# Altium PCB SI945D.PCBDOC (part 1 of 2)
Units mil, origin at the board's own origin, x right, y up, seen from the top; angles counter-clockwise.
Board outline 3122.05 x 2322.84 mil, 4 copper layers (Top, MidLayer1, MidLayer2, Bottom), stack 64.291 mil thick; 171 components, 95 nets, 602 pads, 218 vias.
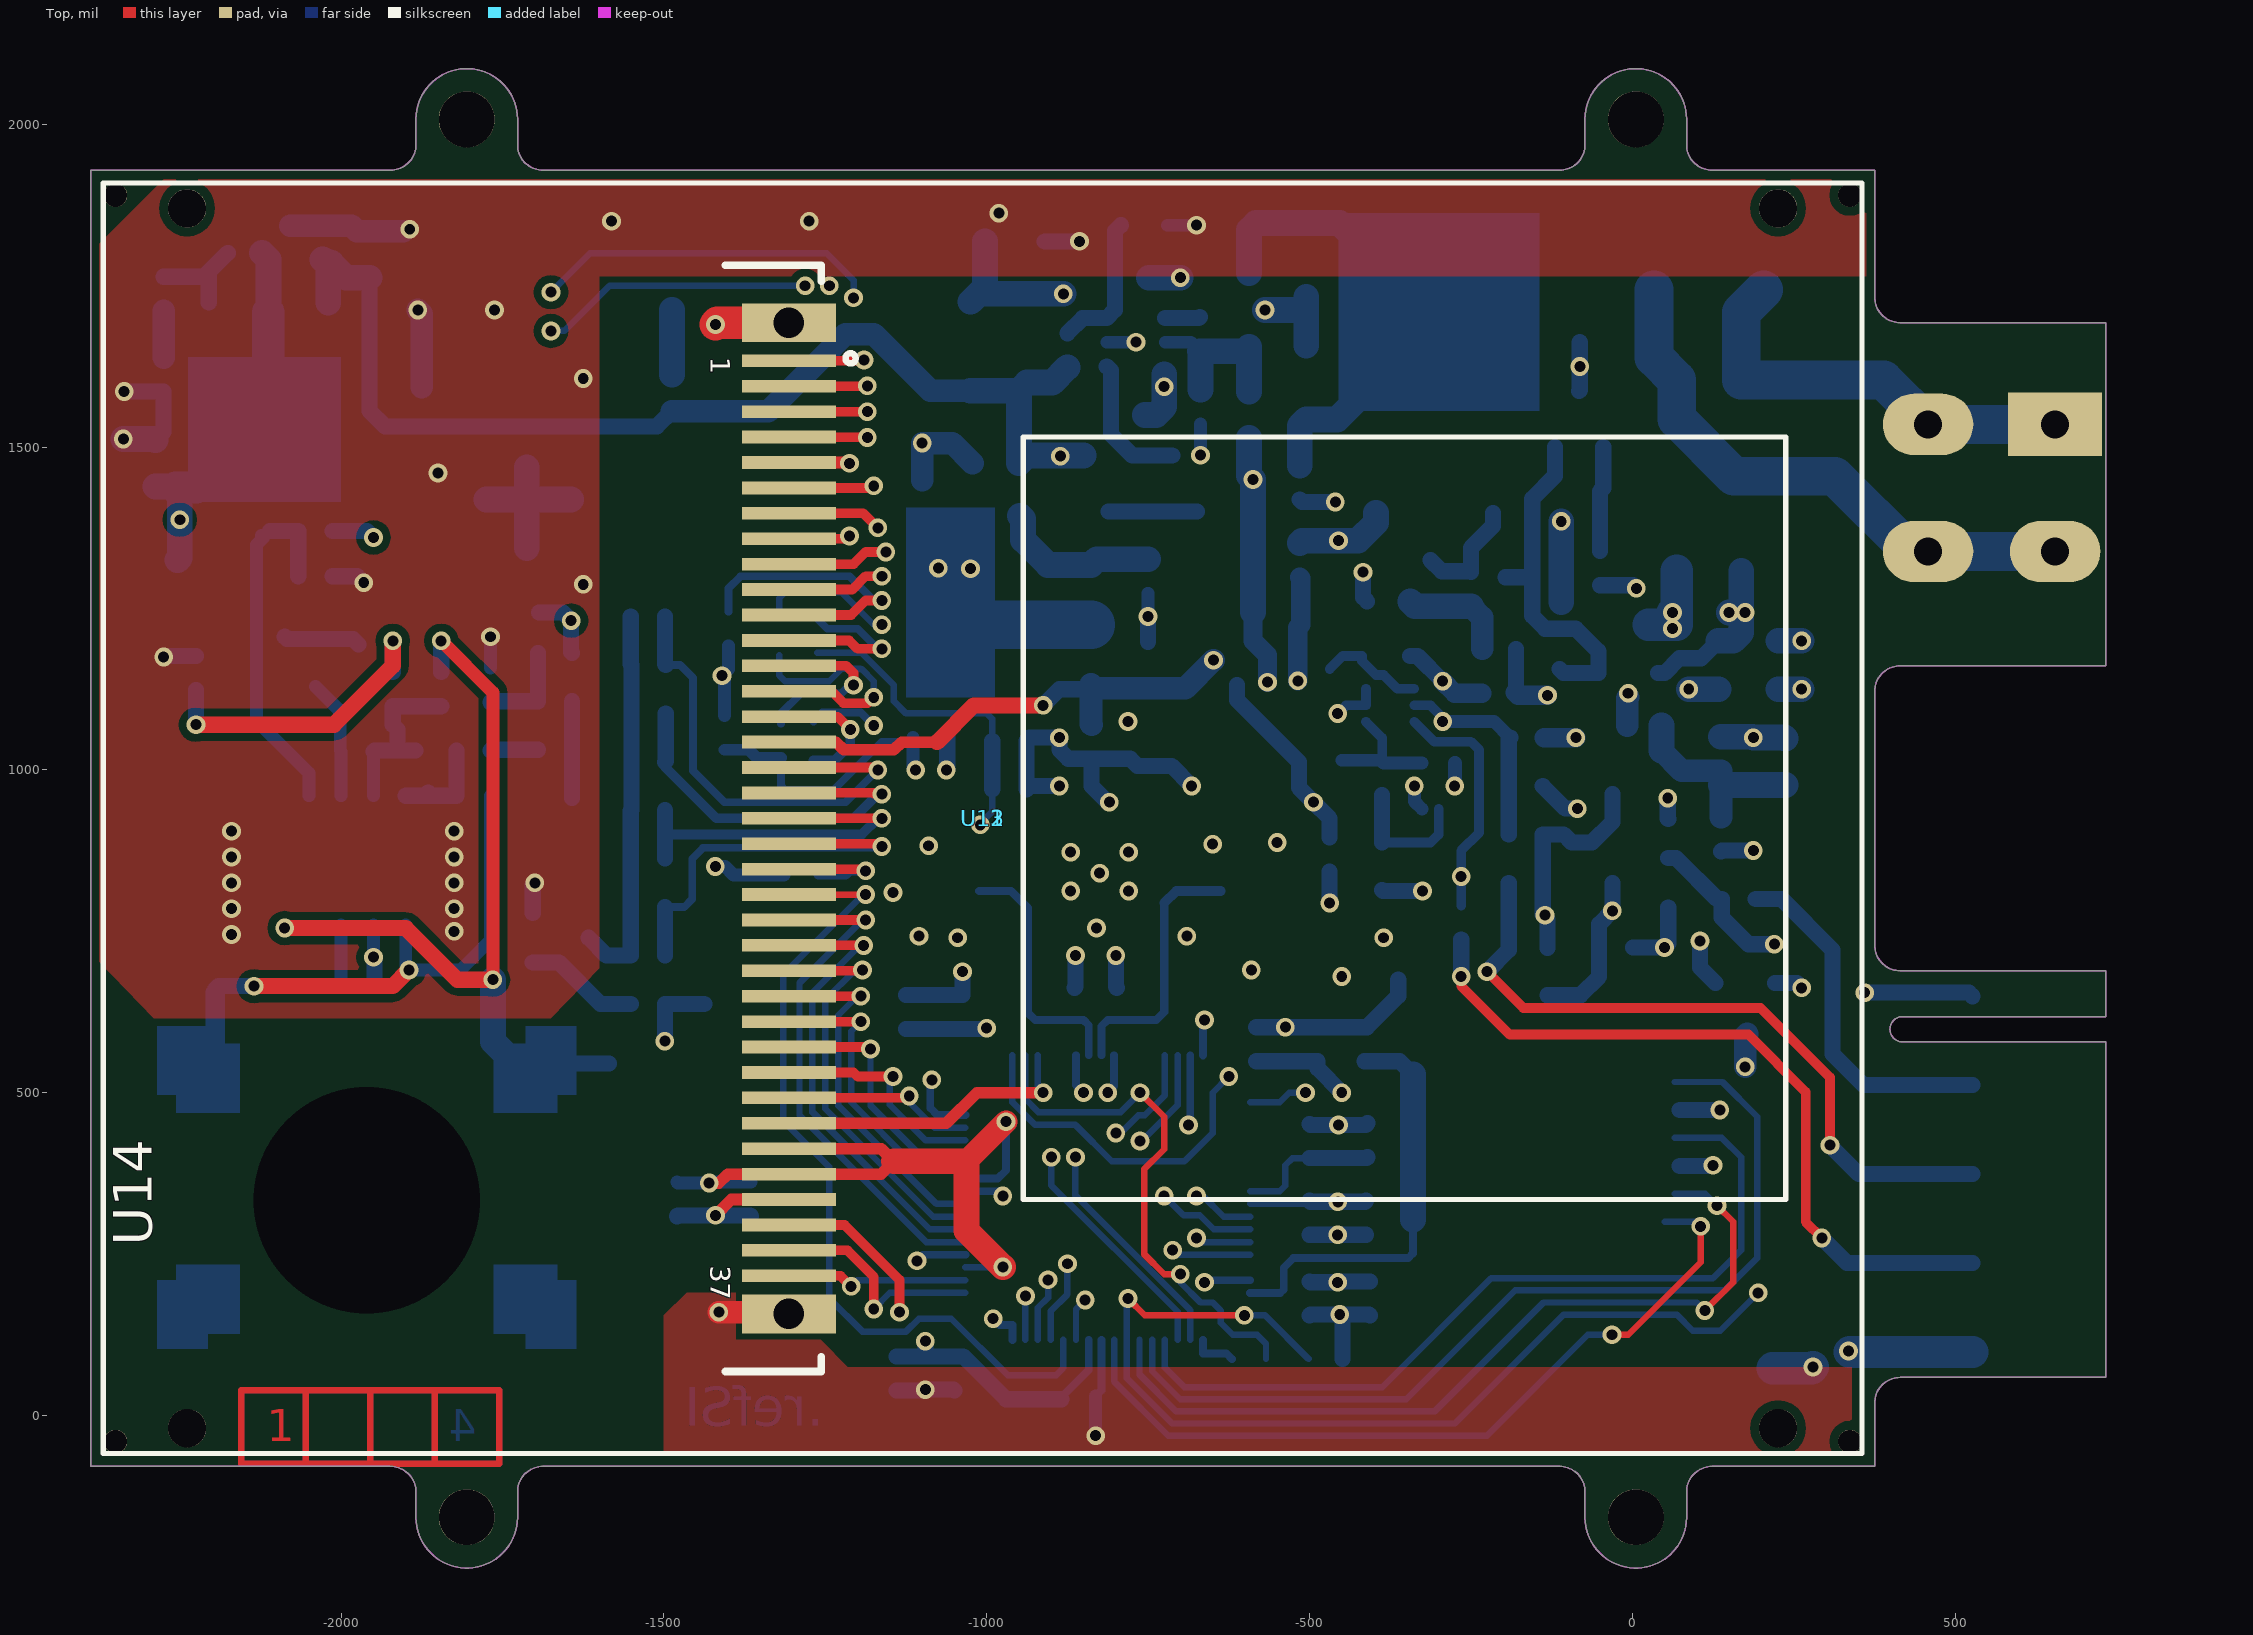
[diagram p0: Top view]
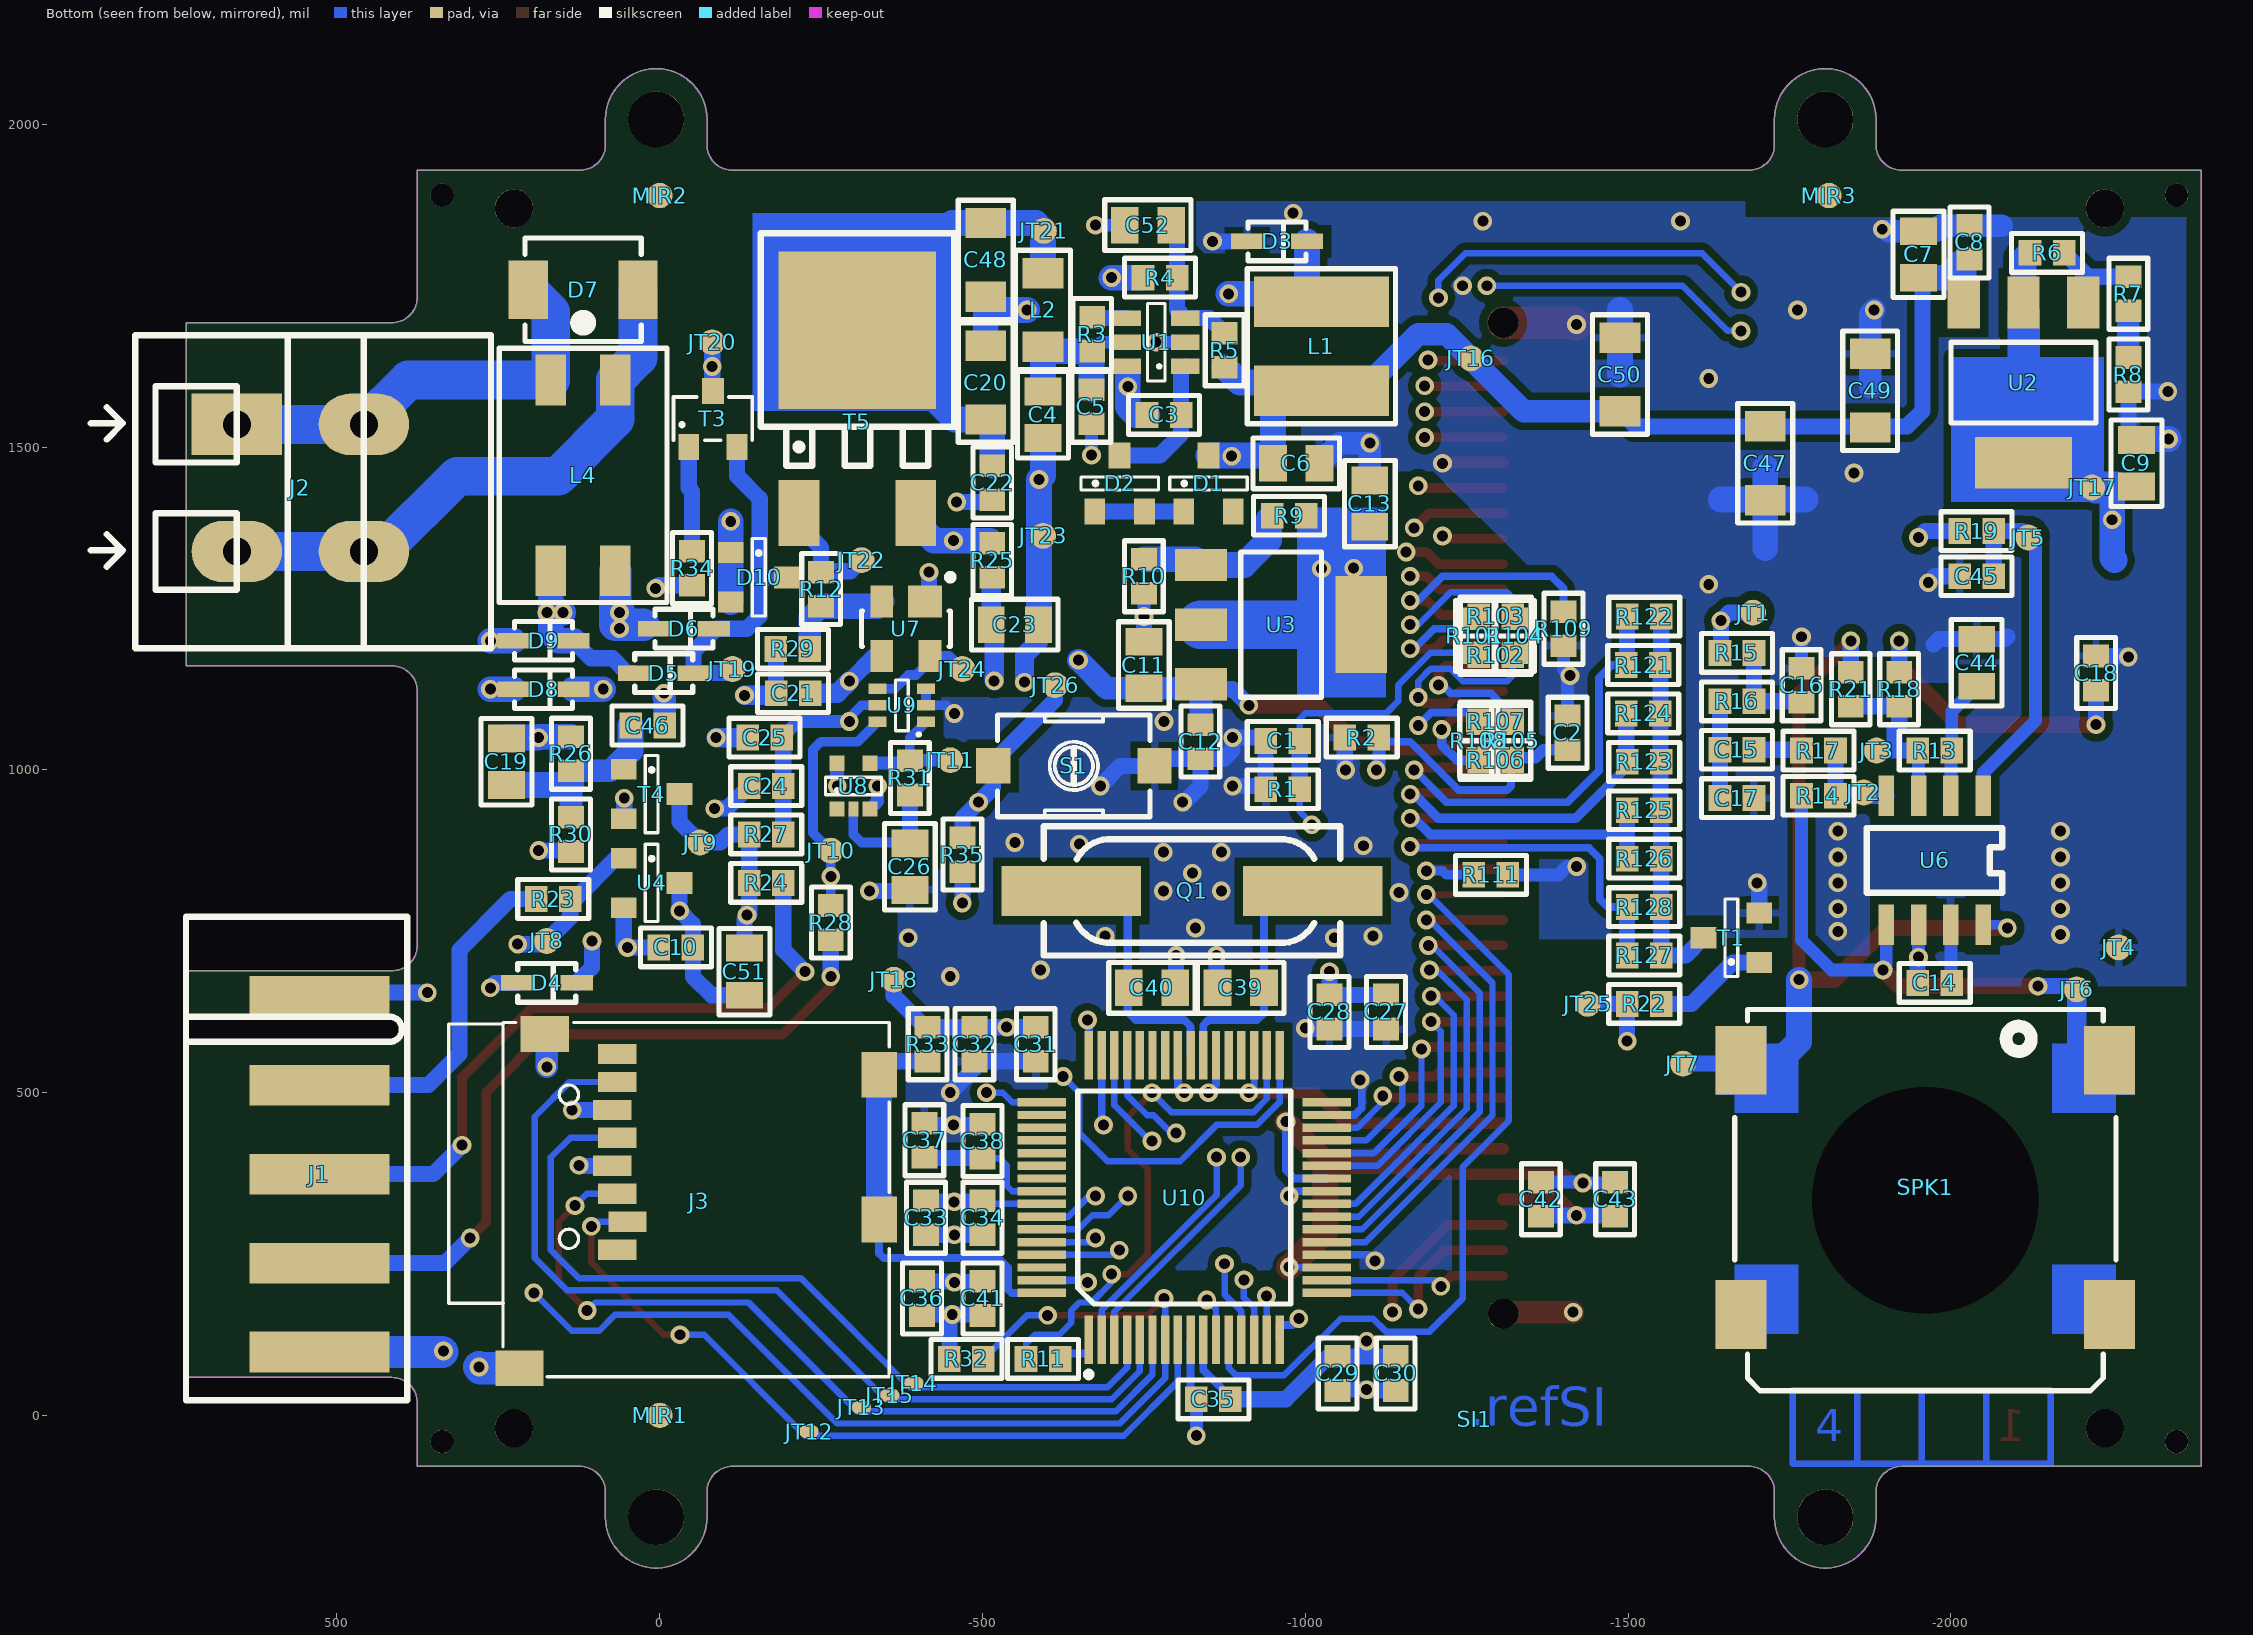
[diagram p1: Bottom view, seen from below]
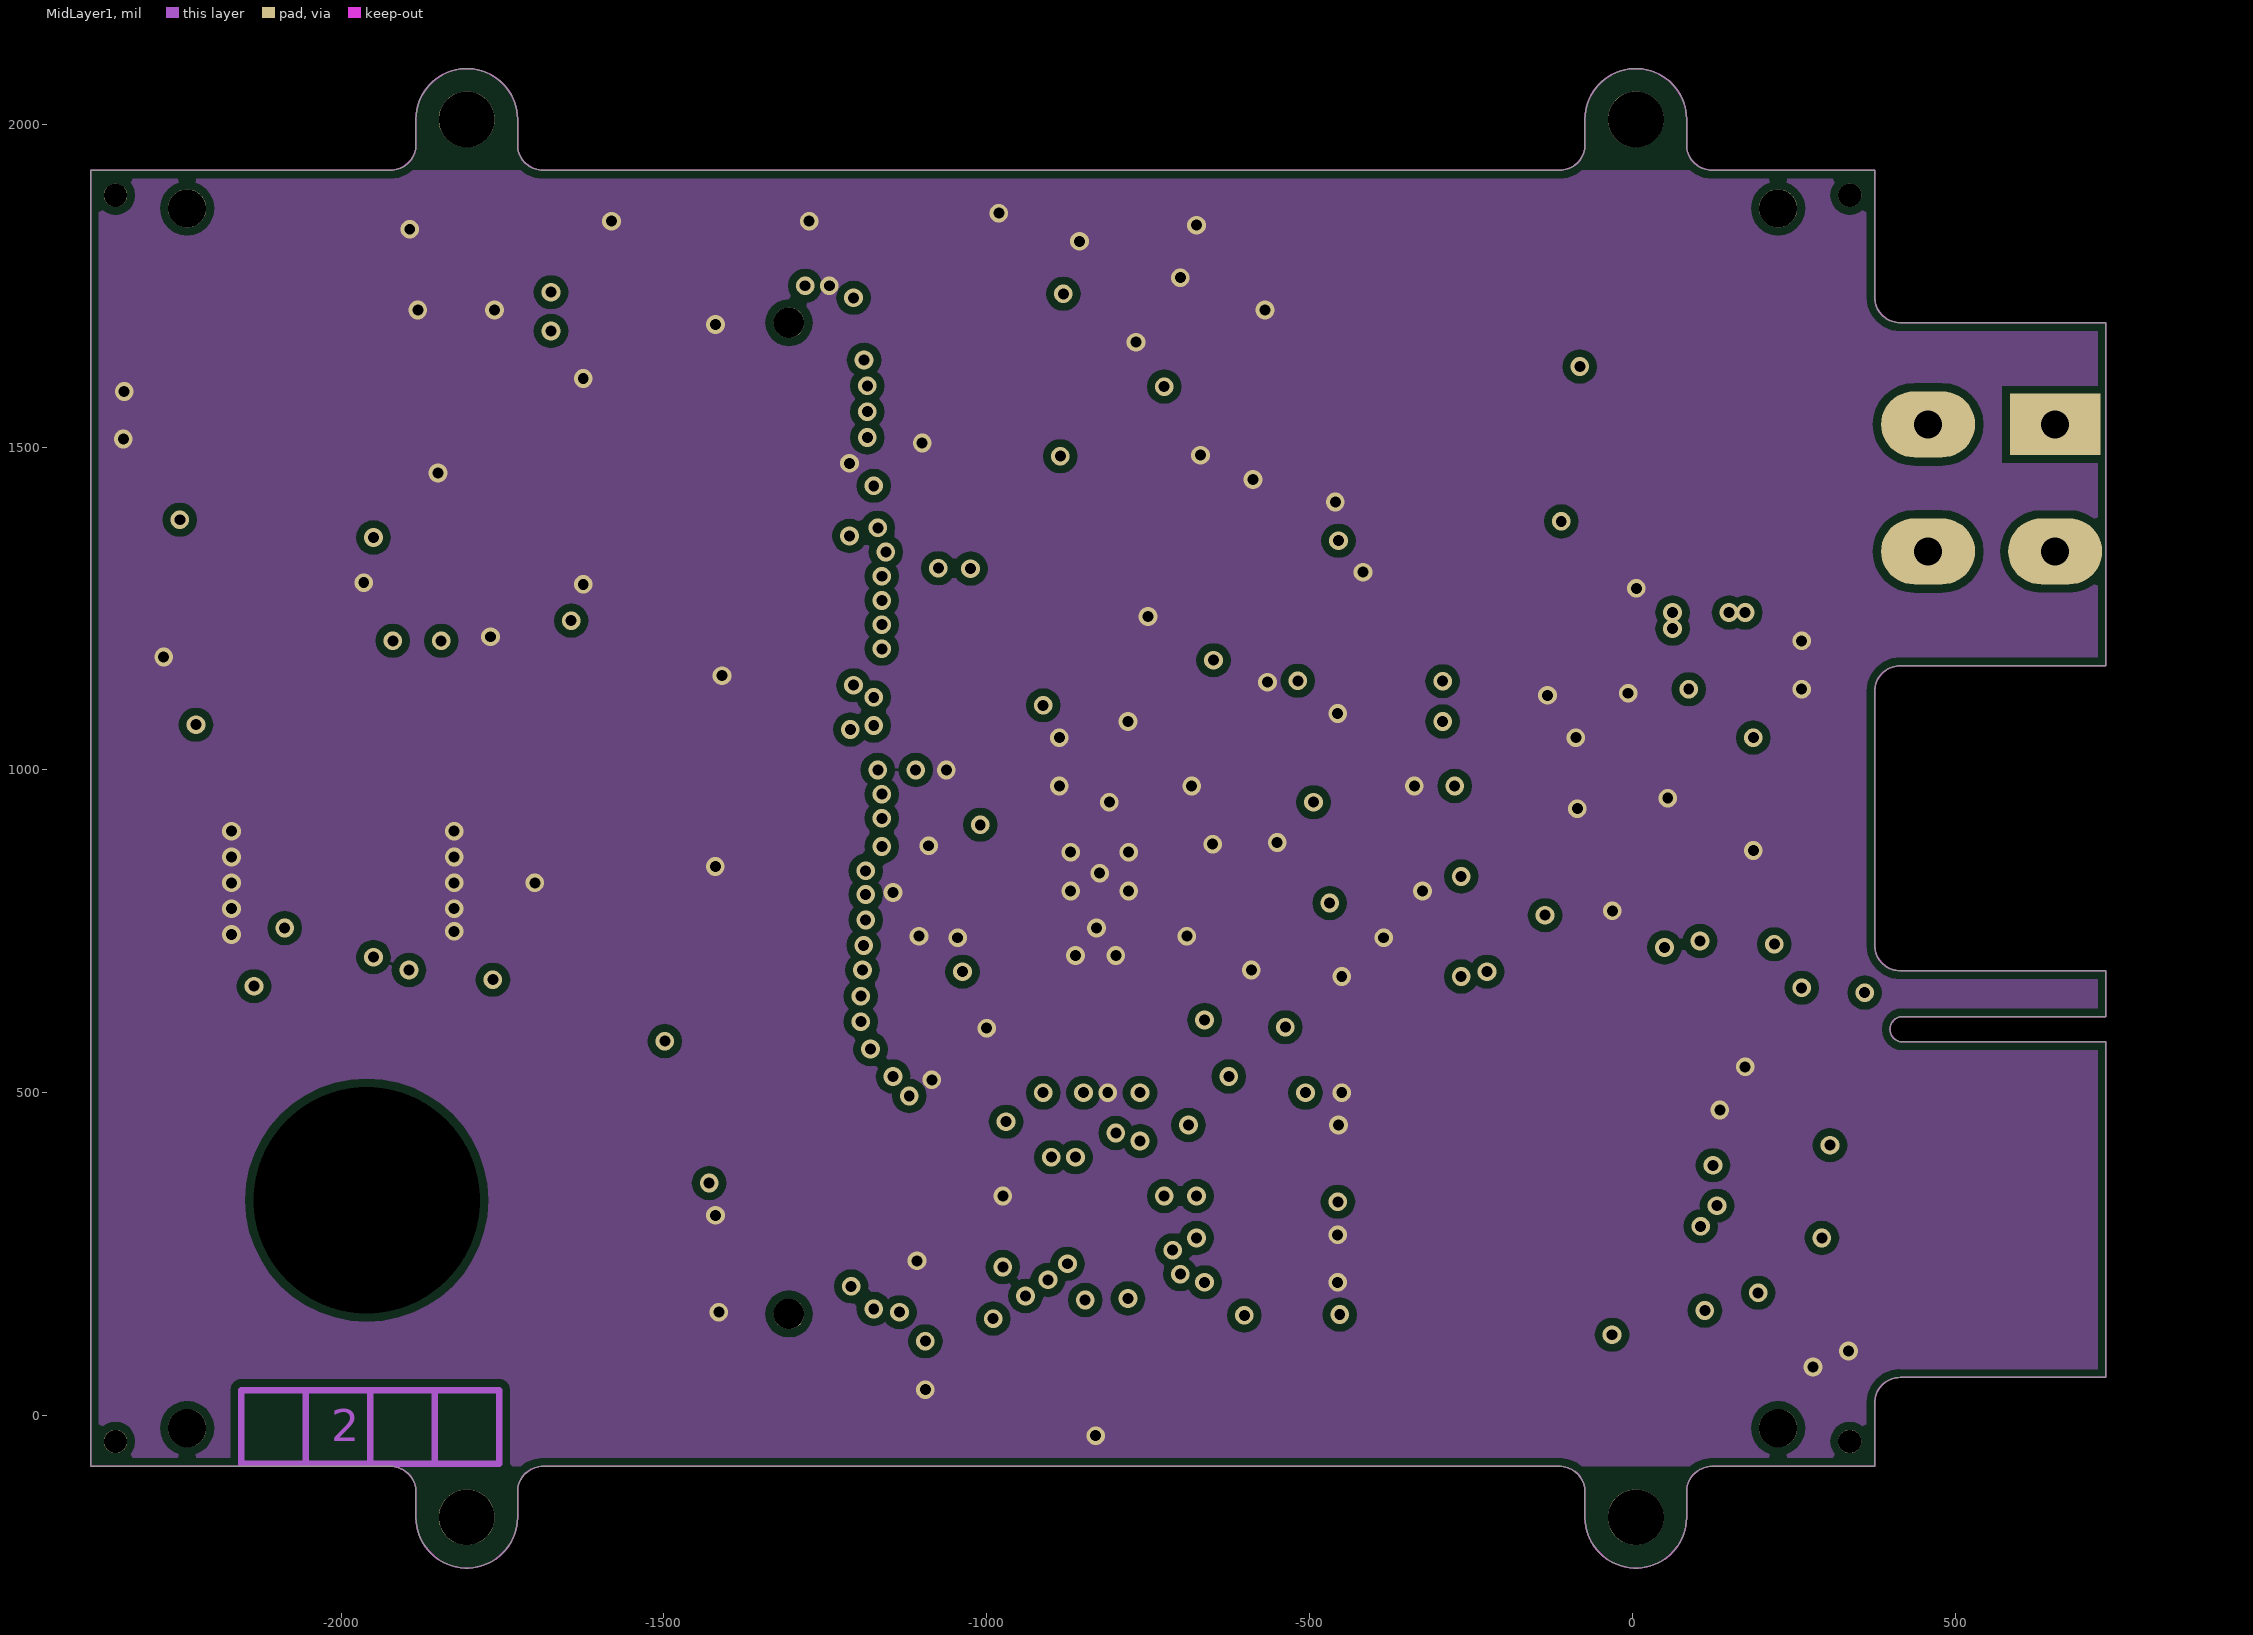
[diagram p2: MidLayer1]